# Allegro board SG2042_EVB_V1_1.brd (continued)
## Nets (continued)
DDR1_DQS3_P: J2.186 U1.E50
DDR1_DQS4_N: J2.244 U1.V56
DDR1_DQS4_P: J2.245 U1.V55
DDR1_DQS5_N: J2.255 U1.AC55
DDR1_DQS5_P: J2.256 U1.AC56
DDR1_DQS6_N: J2.266 U1.U50
DDR1_DQS6_P: J2.267 U1.U49
DDR1_DQS7_N: J2.277 U1.AB49
DDR1_DQS7_P: J2.278 U1.AB50
DDR1_ECC_DM_N: J2.52 U1.C55
DDR1_ECC_DM_P: J2.51 U1.C56
DDR1_ECC_DQ0: J2.49 U1.B55
DDR1_ECC_DQ1: J2.194 U1.B53
DDR1_ECC_DQ2: J2.56 U1.E56
DDR1_ECC_DQ3: J2.201 U1.E53
DDR1_ECC_DQ4: J2.47 U1.A55
DDR1_ECC_DQ5: J2.192 U1.A54
DDR1_ECC_DQ6: J2.54 U1.D56
DDR1_ECC_DQ7: J2.199 U1.E55
DDR1_ECC_DQS_N: J2.196 U1.D53
DDR1_ECC_DQS_P: J2.197 U1.D54
DDR1_EVENT_N: J2.78 R5.1 R2387.2
DDR1_EVENT_N_L: R598.2 U2010.3
DDR1_MA0: J2.79 U1.P55
DDR1_MA1: J2.72 U1.N56
DDR1_MA2: J2.216 U1.H53
DDR1_MA3: J2.71 U1.N54
DDR1_MA4: J2.214 U1.M55
DDR1_MA5: J2.213 U1.G54
DDR1_MA6: J2.69 U1.M54
DDR1_MA7: J2.211 U1.G53
DDR1_MA8: J2.68 U1.L55
DDR1_MA9: J2.66 U1.K54
DDR1_MA10: J2.225 U1.P56
DDR1_MA11: J2.210 U1.L56
DDR1_MA12: J2.65 U1.K56
DDR1_MA13: J2.232 U1.R54
DDR1_MA14: J2.228 U1.M51
DDR1_MA15: J2.86 U1.N51
DDR1_MA16: J2.82 U1.M52
DDR1_MA17: J2.234 U1.R55
DDR1_ODT0: J2.87 U1.N50
DDR1_ODT1: J2.91 U1.P52
DDR1_PAR: J2.222 U1.L50
DDR1_PLL_TESTOUT_N: T20.1(TP) U1.M49
DDR1_PLL_TESTOUT_P: T19.1(TP) U1.M48
DDR1_RESET_N: J2.58 T15.1(TP) U1.F55
DDR1_VDDPLL: C1454.1 FB16.1 U1.AC41
DDR01_VDDQ_1V2: C181.2 C182.2 C183.2 C184.2 C185.2 C186.2 C187.2 C188.2 C189.2 C190.2 C191.2 C192.2 C193.2 C194.2 C195.2 C196.2 C197.2 C198.2 C199.2 C200.2 C201.2 C202.2 C203.2 C204.2 C205.2 C206.2 C207.2 C208.2 C209.2 C210.2 C211.2 C212.2 C213.2 C214.2 C215.2 C216.2 C217.2 C218.2 C219.2 C220.2 C221.2 C222.2 C223.2 C224.2 C225.2 C226.2 C227.2 C228.2 C229.2 C230.2 C231.2 C232.2 C233.2 C234.2 C235.2 C236.2 C237.2 C238.2 C239.2 C240.2 C241.2 C242.2 C243.2 C244.2 C245.2 C246.2 C247.2 C248.2 C249.2 C250.2 C251.2 C252.2 C253.2 C254.2 C255.2 C256.2 C257.2 C258.2 C259.2 C260.2 C261.2 C262.2 C263.2 C264.2 C265.2 C266.2 C267.2 C1422.1 C3154.1 C3319.1 FB13.2 FB15.2 R445.1 R630.2 R2176.1 T75.1(TP) U1.AA45 U1.AA47 U1.AB46 U1.AC45 U1.AC47 U1.AD46 U1.AE45 U1.AE47 U1.AF46 U1.AG45 U1.AG47 U1.AH46 U1.AJ45 U1.AJ47 U1.AK46 U1.AL45 U1.AL47 U1.AM46 U1.AN45 U1.AN47 U1.AP46 U1.AP48 U1.AR45 U1.AR47 U1.AT46 U1.AT48 U1.AU45 U1.AU47 U1.AU49 U1.AV46 U1.AV48 U1.AW45 U1.AW47 U1.AW49 U1.AW51 U1.AY46 U1.BA45 U1.BA47 U1.BB46 U1.BB51 U1.BC45 U1.BC47 U1.BC49 U1.BD46 U1.BD50 U1.BD53 U1.BE45 U1.BE47 U1.BE49 U1.BF46 U1.BF48 U1.BF52 U1.BF55 U1.BG47 U1.BG49 U1.BH46 U1.BH48 U1.J45 U1.J47 U1.J49 U1.J56 U1.K46 U1.K48 U1.K53 U1.L45 U1.L47 U1.L49 U1.L51 U1.L54 U1.M46 U1.N45 U1.N47 U1.N49 U1.N52 U1.N55 U1.P46 U1.R45 U1.R47 U1.R50 U1.R53 U1.T46 U1.U45 U1.U47 U1.V46 U1.V48 U1.W45 U1.W47 U1.Y46 U47.2 U61.5
DDR01_VDDQ_1V2_DIMM: C5.1 C6.1 C7.1 C8.1 C9.1 C10.1 C11.1 C12.1 C13.1 C25.1 C26.1 C27.1 C28.1 C29.1 C30.1 C31.1 C32.1 C33.1 J1.59 J1.61 J1.64 J1.67 J1.70 J1.73 J1.76 J1.80 J1.83 J1.85 J1.88 J1.90 J1.92 J1.204 J1.206 J1.209 J1.212 J1.215 J1.217 J1.220 J1.223 J1.226 J1.229 J1.231 J1.233 J1.236 J2.59 J2.61 J2.64 J2.67 J2.70 J2.73 J2.76 J2.80 J2.83 J2.85 J2.88 J2.90 J2.92 J2.204 J2.206 J2.209 J2.212 J2.215 J2.217 J2.220 J2.223 J2.226 J2.229 J2.231 J2.233 J2.236 R489.2 R491.2 R2175.1 R2241.2 R2242.2 U62.5
DDR01_VDDQ_1V2_H: C1507.1 C1508.1 C1509.1 C1510.1 C1511.1 L19.2 R644.1 R646.1 R2175.2 R2176.2 U61.4 U62.4
DDR1_VDDQCK: C1452.1 FB15.1 U1.AB41
DDR01_VPP_2V5: C1.1 C2.1 C3.1 C4.1 C21.1 C22.1 C23.1 C24.1 C1434.2 C1435.1 C1436.1 C1437.1 C1438.1 C1439.1 J1.142 J1.143 J1.284 J1.286 J1.287 J1.288 J2.142 J2.143 J2.284 J2.286 J2.287 J2.288 R1.2 R5.2 R8.2 R458.2 R462.2 T67.1(TP) U50.5
DDR01_VPP_2V5_H: L18.2 R458.1 U50.4
DDR01_VTT_0V6: C14.1 C15.1 C16.1 C17.1 C34.1 C35.1 C36.1 C37.1 J1.77 J1.221 J2.77 J2.221 R447.2 T63.1(TP) U48.5
DDR01_VTT_0V6_H: C1424.1 C1425.1 C1426.1 R447.1 R450.2 U47.3 U48.4
DDR2_ACT_N: J3.62 U1.BB2
DDR2_ALERT_N: J3.208 R2243.1 U1.AV6
DDR2_ATB0: T23.1(TP) U1.BD9
DDR2_ATB1: T24.1(TP) U1.BC9
DDR2_BA0: J3.81 U1.BE2
DDR2_BA1: J3.224 U1.BD3
DDR2_BG0: J3.63 U1.BC2
DDR2_BG1: J3.207 U1.AV5
DDR2_CAL_0: R2384.1 T22.1(TP) U1.BA8
DDR2_CID0: J3.93 U1.BG5
DDR2_CID1: J3.237 U1.BF6
DDR2_CKE0: J3.60 U1.AU7
DDR2_CKE1: J3.203 U1.AU6
DDR2_CLK0_N: J3.75 U1.BB5
DDR2_CLK0_P: J3.74 U1.BB4
DDR2_CLK1_N: J3.219 U1.BC4
DDR2_CLK1_P: J3.218 U1.BC3
DDR2_CS_N0: J3.84 U1.BF1
DDR2_CS_N1: J3.89 U1.BG2
DDR2_DM0_N: J3.8 U1.AJ2
DDR2_DM0_P: J3.7 U1.AJ1
DDR2_DM1_N: J3.19 U1.AP1
DDR2_DM1_P: J3.18 U1.AP2
DDR2_DM2_N: J3.30 U1.AK8
DDR2_DM2_P: J3.29 U1.AK7
DDR2_DM3_N: J3.41 U1.AP5
DDR2_DM3_P: J3.40 U1.AP6
DDR2_DM4_N: J3.100 U1.BJ3
DDR2_DM4_P: J3.99 U1.BJ4
DDR2_DM5_N: J3.111 U1.BT3
DDR2_DM5_P: J3.110 U1.BR3
DDR2_DM6_N: J3.122 U1.BJ8
DDR2_DM6_P: J3.121 U1.BJ7
DDR2_DM7_N: J3.133 U1.BT8
DDR2_DM7_P: J3.132 U1.BR8
DDR2_DQ0: J3.5 U1.AH4
DDR2_DQ1: J3.150 U1.AH2
DDR2_DQ2: J3.12 U1.AL2
DDR2_DQ3: J3.157 U1.AL1
DDR2_DQ4: J3.3 U1.AG3
DDR2_DQ5: J3.148 U1.AG2
DDR2_DQ6: J3.10 U1.AK1
DDR2_DQ7: J3.155 U1.AL4
DDR2_DQ8: J3.16 U1.AN4
DDR2_DQ9: J3.161 U1.AN2
DDR2_DQ10: J3.23 U1.AT2
DDR2_DQ11: J3.168 U1.AT1
DDR2_DQ12: J3.14 U1.AM3
DDR2_DQ13: J3.159 U1.AM2
DDR2_DQ14: J3.21 U1.AT4
DDR2_DQ15: J3.166 U1.AR1
DDR2_DQ16: J3.27 U1.AH6
DDR2_DQ17: J3.172 U1.AG5
DDR2_DQ18: J3.34 U1.AL6
DDR2_DQ19: J3.179 U1.AL5
DDR2_DQ20: J3.25 U1.AG7
DDR2_DQ21: J3.170 U1.AH8
DDR2_DQ22: J3.32 U1.AL8
DDR2_DQ23: J3.177 U1.AK5
DDR2_DQ24: J3.38 U1.AN8
DDR2_DQ25: J3.183 U1.AN6
DDR2_DQ26: J3.45 U1.AT6
DDR2_DQ27: J3.190 U1.AT8
DDR2_DQ28: J3.36 U1.AM7
DDR2_DQ29: J3.181 U1.AM5
DDR2_DQ30: J3.43 U1.AT5
DDR2_DQ31: J3.188 U1.AR5
DDR2_DQ32: J3.97 U1.BH4
DDR2_DQ33: J3.242 U1.BJ1
DDR2_DQ34: J3.104 U1.BM2
DDR2_DQ35: J3.249 U1.BM3
DDR2_DQ36: J3.95 U1.BH1
DDR2_DQ37: J3.240 U1.BH2
DDR2_DQ38: J3.102 U1.BL2
DDR2_DQ39: J3.247 U1.BL4
DDR2_DQ40: J3.108 U1.BR1
DDR2_DQ41: J3.253 U1.BR2
DDR2_DQ42: J3.115 U1.BN5
DDR2_DQ43: J3.260 U1.BT5
DDR2_DQ44: J3.106 U1.BN2
DDR2_DQ45: J3.251 U1.BP1
DDR2_DQ46: J3.113 U1.BR5
DDR2_DQ47: J3.258 U1.BT4
DDR2_DQ48: J3.119 U1.BH5
DDR2_DQ49: J3.264 U1.BJ5
DDR2_DQ50: J3.126 U1.BM5
DDR2_DQ51: J3.271 U1.BM7
DDR2_DQ52: J3.117 U1.BH8
DDR2_DQ53: J3.262 U1.BH6
DDR2_DQ54: J3.124 U1.BL6
DDR2_DQ55: J3.269 U1.BL8
DDR2_DQ56: J3.130 U1.BN7
DDR2_DQ57: J3.275 U1.BR7
DDR2_DQ58: J3.137 U1.BN10
DDR2_DQ59: J3.282 U1.BT10
DDR2_DQ60: J3.128 U1.BP6
DDR2_DQ61: J3.273 U1.BR6
DDR2_DQ62: J3.135 U1.BR10
DDR2_DQ63: J3.280 U1.BT9
DDR2_DQS0_N: J3.152 U1.AK4
DDR2_DQS0_P: J3.153 U1.AK3
DDR2_DQS1_N: J3.163 U1.AR3
DDR2_DQS1_P: J3.164 U1.AR4
DDR2_DQS2_N: J3.174 U1.AJ6
DDR2_DQS2_P: J3.175 U1.AJ5
DDR2_DQS3_N: J3.185 U1.AR7
DDR2_DQS3_P: J3.186 U1.AR8
DDR2_DQS4_N: J3.244 U1.BK1
DDR2_DQS4_P: J3.245 U1.BK2
DDR2_DQS5_N: J3.255 U1.BP4
DDR2_DQS5_P: J3.256 U1.BN4
DDR2_DQS6_N: J3.266 U1.BK5
DDR2_DQS6_P: J3.267 U1.BK6
DDR2_DQS7_N: J3.277 U1.BN9
DDR2_DQS7_P: J3.278 U1.BP9
DDR2_ECC_DM_N: J3.52 U1.AY4
DDR2_ECC_DM_P: J3.51 U1.AY3
DDR2_ECC_DQ0: J3.49 U1.AV4
DDR2_ECC_DQ1: J3.194 U1.AV2
DDR2_ECC_DQ2: J3.56 U1.BA2
DDR2_ECC_DQ3: J3.201 U1.BA1
DDR2_ECC_DQ4: J3.47 U1.AU3
DDR2_ECC_DQ5: J3.192 U1.AU2
DDR2_ECC_DQ6: J3.54 U1.AY1
DDR2_ECC_DQ7: J3.199 U1.BA4
DDR2_ECC_DQS_N: J3.196 U1.AW1
DDR2_ECC_DQS_P: J3.197 U1.AW2
DDR2_EVENT_N: J3.78 R9.1 R2388.2
DDR2_EVENT_N_L: R599.2 U2010.4
DDR2_MA0: J3.79 U1.BD5
DDR2_MA1: J3.72 U1.BC6
DDR2_MA2: J3.216 U1.BE5
DDR2_MA3: J3.71 U1.BD6
DDR2_MA4: J3.214 U1.BA6
DDR2_MA5: J3.213 U1.AY7
DDR2_MA6: J3.69 U1.BC1
DDR2_MA7: J3.211 U1.AY6
DDR2_MA8: J3.68 U1.BC7
DDR2_MA9: J3.66 U1.AW7
DDR2_MA10: J3.225 U1.BE7
DDR2_MA11: J3.210 U1.AW5
DDR2_MA12: J3.65 U1.BB7
DDR2_MA13: J3.232 U1.BG6
DDR2_MA14: J3.228 U1.BE1
DDR2_MA15: J3.86 U1.BF3
DDR2_MA16: J3.82 U1.BE4
DDR2_MA17: J3.234 U1.BF7
DDR2_ODT0: J3.87 U1.BG3
DDR2_ODT1: J3.91 U1.BF4
DDR2_PAR: J3.222 U1.BD2
DDR2_PLL_TESTOUT_N: T26.1(TP) U1.BA9
DDR2_PLL_TESTOUT_P: T25.1(TP) U1.AY9
DDR2_RESET_N: J3.58 T21.1(TP) U1.BA5
DDR2_VDDPLL: C1458.1 FB18.1 U1.AL16
DDR2_VDDQCK: C1456.1 FB17.1 U1.AK16
DDR3_ACT_N: J4.62 U1.H2
DDR3_ALERT_N: J4.208 R2244.1 U1.J2
DDR3_ATB0: T29.1(TP) U1.R9
DDR3_ATB1: T30.1(TP) U1.P9
DDR3_BA0: J4.81 U1.L4
DDR3_BA1: J4.224 U1.L5
DDR3_BG0: J4.63 U1.J3
DDR3_BG1: J4.207 U1.H1
DDR3_CAL_0: R2385.1 T28.1(TP) U1.U9
DDR3_CID0: J4.93 U1.P7
DDR3_CID1: J4.237 U1.R6
DDR3_CKE0: J4.60 U1.G1
DDR3_CKE1: J4.203 U1.F3
DDR3_CLK0_N: J4.75 U1.J5
DDR3_CLK0_P: J4.74 U1.J6
DDR3_CLK1_N: J4.219 U1.K6
DDR3_CLK1_P: J4.218 U1.K7
DDR3_CS_N0: J4.84 U1.N4
DDR3_CS_N1: J4.89 U1.P4
DDR3_DM0_N: J4.8 U1.B12
DDR3_DM0_P: J4.7 U1.A12
DDR3_DM1_N: J4.19 U1.A7
DDR3_DM1_P: J4.18 U1.B7
DDR3_DM2_N: J4.30 U1.G13
DDR3_DM2_P: J4.29 U1.H13
DDR3_DM3_N: J4.41 U1.H8
DDR3_DM3_P: J4.40 U1.G8
DDR3_DM4_N: J4.100 U1.U3
DDR3_DM4_P: J4.99 U1.U4
DDR3_DM5_N: J4.111 U1.AB4
DDR3_DM5_P: J4.110 U1.AB3
DDR3_DM6_N: J4.122 U1.V6
DDR3_DM6_P: J4.121 U1.V5
DDR3_DM7_N: J4.133 U1.AC5
DDR3_DM7_P: J4.132 U1.AC6
DDR3_DQ0: J4.5 U1.D13
DDR3_DQ1: J4.150 U1.B13
DDR3_DQ2: J4.12 U1.A10
DDR3_DQ3: J4.157 U1.D10
DDR3_DQ4: J4.3 U1.B14
DDR3_DQ5: J4.148 U1.C14
DDR3_DQ6: J4.10 U1.A11
DDR3_DQ7: J4.155 U1.B10
DDR3_DQ8: J4.16 U1.D8
DDR3_DQ9: J4.161 U1.B8
DDR3_DQ10: J4.23 U1.D5
DDR3_DQ11: J4.168 U1.A5
DDR3_DQ12: J4.14 U1.B9
DDR3_DQ13: J4.159 U1.C9
DDR3_DQ14: J4.21 U1.B5
DDR3_DQ15: J4.166 U1.A6
DDR3_DQ16: J4.27 U1.H14
DDR3_DQ17: J4.172 U1.E13
DDR3_DQ18: J4.34 U1.E10
DDR3_DQ19: J4.179 U1.G10
DDR3_DQ20: J4.25 U1.E14
DDR3_DQ21: J4.170 U1.F14
DDR3_DQ22: J4.32 U1.F11
DDR3_DQ23: J4.177 U1.H11
DDR3_DQ24: J4.38 U1.H9
DDR3_DQ25: J4.183 U1.E8
DDR3_DQ26: J4.45 U1.E5
DDR3_DQ27: J4.190 U1.G5
DDR3_DQ28: J4.36 U1.F9
DDR3_DQ29: J4.181 U1.E9
DDR3_DQ30: J4.43 U1.H6
DDR3_DQ31: J4.188 U1.F6
DDR3_DQ32: J4.97 U1.T2
DDR3_DQ33: J4.242 U1.U1
DDR3_DQ34: J4.104 U1.Y3
DDR3_DQ35: J4.249 U1.Y2
DDR3_DQ36: J4.95 U1.T4
DDR3_DQ37: J4.240 U1.T1
DDR3_DQ38: J4.102 U1.W2
DDR3_DQ39: J4.247 U1.W4
DDR3_DQ40: J4.108 U1.AA2
DDR3_DQ41: J4.253 U1.AB1
DDR3_DQ42: J4.115 U1.AE2
DDR3_DQ43: J4.260 U1.AE3
DDR3_DQ44: J4.106 U1.AA4
DDR3_DQ45: J4.251 U1.AA1
DDR3_DQ46: J4.113 U1.AD4
DDR3_DQ47: J4.258 U1.AD2
DDR3_DQ48: J4.119 U1.T8
DDR3_DQ49: J4.264 U1.U5
DDR3_DQ50: J4.126 U1.Y5
DDR3_DQ51: J4.271 U1.Y7
DDR3_DQ52: J4.117 U1.T6
DDR3_DQ53: J4.262 U1.T5
DDR3_DQ54: J4.124 U1.W6
DDR3_DQ55: J4.269 U1.W8
DDR3_DQ56: J4.130 U1.AA8
DDR3_DQ57: J4.275 U1.AB5
DDR3_DQ58: J4.137 U1.AE5
DDR3_DQ59: J4.282 U1.AE7
DDR3_DQ60: J4.128 U1.AA5
DDR3_DQ61: J4.273 U1.AA6
DDR3_DQ62: J4.135 U1.AD8
DDR3_DQ63: J4.280 U1.AD6
DDR3_DQS0_N: J4.152 U1.D11
DDR3_DQS0_P: J4.153 U1.C11
DDR3_DQS1_N: J4.163 U1.C6
DDR3_DQS1_P: J4.164 U1.D6
DDR3_DQS2_N: J4.174 U1.E12
DDR3_DQS2_P: J4.175 U1.F12
DDR3_DQS3_N: J4.185 U1.F7
DDR3_DQS3_P: J4.186 U1.E7
DDR3_DQS4_N: J4.244 U1.V1
DDR3_DQS4_P: J4.245 U1.V2
DDR3_DQS5_N: J4.255 U1.AC2
DDR3_DQS5_P: J4.256 U1.AC1
DDR3_DQS6_N: J4.266 U1.U7
DDR3_DQS6_P: J4.267 U1.U8
DDR3_DQS7_N: J4.277 U1.AB8
DDR3_DQS7_P: J4.278 U1.AB7
DDR3_ECC_DM_N: J4.52 U1.C2
DDR3_ECC_DM_P: J4.51 U1.C1
DDR3_ECC_DQ0: J4.49 U1.B4
DDR3_ECC_DQ1: J4.194 U1.B2
DDR3_ECC_DQ2: J4.56 U1.E1
DDR3_ECC_DQ3: J4.201 U1.E4
DDR3_ECC_DQ4: J4.47 U1.A2
DDR3_ECC_DQ5: J4.192 U1.A3
DDR3_ECC_DQ6: J4.54 U1.D1
DDR3_ECC_DQ7: J4.199 U1.E2
DDR3_ECC_DQS_N: J4.196 U1.D4
DDR3_ECC_DQS_P: J4.197 U1.D3
DDR3_EVENT_N: J4.78 R13.1 R2389.2
DDR3_EVENT_N_L: R600.2 U2010.5
DDR3_MA0: J4.79 U1.P2
DDR3_MA1: J4.72 U1.N1
DDR3_MA2: J4.216 U1.H4
DDR3_MA3: J4.71 U1.N3
DDR3_MA4: J4.214 U1.M2
DDR3_MA5: J4.213 U1.G3
DDR3_MA6: J4.69 U1.M3
DDR3_MA7: J4.211 U1.G4
DDR3_MA8: J4.68 U1.L2
DDR3_MA9: J4.66 U1.K3
DDR3_MA10: J4.225 U1.P1
DDR3_MA11: J4.210 U1.L1
DDR3_MA12: J4.65 U1.K1
DDR3_MA13: J4.232 U1.R3
DDR3_MA14: J4.228 U1.M6
DDR3_MA15: J4.86 U1.N6
DDR3_MA16: J4.82 U1.M5
DDR3_MA17: J4.234 U1.R2
DDR3_ODT0: J4.87 U1.N7
DDR3_ODT1: J4.91 U1.P5
DDR3_PAR: J4.222 U1.L7
DDR3_PLL_TESTOUT_N: T32.1(TP) U1.M8
DDR3_PLL_TESTOUT_P: T31.1(TP) U1.M9
DDR3_RESET_N: J4.58 T27.1(TP) U1.F2
DDR3_VDDPLL: C1462.1 FB20.1 U1.AC16
DDR3_VDDQCK: C1460.1 FB19.1 U1.AB16
DDR23_VDDQ_1V2: C281.2 C282.2 C283.2 C284.2 C285.2 C286.2 C287.2 C288.2 C289.2 C290.2 C291.2 C292.2 C293.2 C294.2 C295.2 C296.2 C297.2 C298.2 C299.2 C300.2 C301.2 C302.2 C303.2 C304.2 C305.2 C306.2 C307.2 C308.2 C309.2 C310.2 C311.2 C312.2 C313.2 C314.2 C315.2 C316.2 C317.2 C318.2 C319.2 C320.2 C321.2 C322.2 C323.2 C324.2 C325.2 C326.2 C327.2 C328.2 C329.2 C330.2 C331.2 C332.2 C333.2 C334.2 C335.2 C336.2 C337.2 C338.2 C339.2 C340.2 C341.2 C342.2 C343.2 C344.2 C345.2 C346.2 C347.2 C348.2 C349.2 C350.2 C351.2 C352.2 C353.2 C354.2 C355.2 C356.2 C357.2 C358.2 C359.2 C360.2 C361.2 C362.2 C363.2 C364.2 C1538.1 C3155.1 C3320.1 FB17.2 FB19.2 R636.2 R657.1 R2178.1 T76.1(TP) U1.AA10 U1.AA12 U1.AB11 U1.AC10 U1.AC12 U1.AD11 U1.AE10 U1.AE12 U1.AF11 U1.AG10 U1.AG12 U1.AH11 U1.AJ10 U1.AJ12 U1.AK11 U1.AL10 U1.AL12 U1.AM11 U1.AN10 U1.AN12 U1.AP9 U1.AP11 U1.AR10 U1.AR12 U1.AT9 U1.AT11 U1.AU8 U1.AU10 U1.AU12 U1.AV9 U1.AV11 U1.AW6 U1.AW8 U1.AW10 U1.AW12 U1.AY11 U1.BA10 U1.BA12 U1.BB6 U1.BB11 U1.BC8 U1.BC10 U1.BC12 U1.BD4 U1.BD7 U1.BD11 U1.BE8 U1.BE10 U1.BE12 U1.BF2 U1.BF5 U1.BF9 U1.BG8 U1.BG10 U1.BH9 U1.J1 U1.J8 U1.J10 U1.J12 U1.K4 U1.K9 U1.K11 U1.L3 U1.L6 U1.L8 U1.L10 U1.L12 U1.M11 U1.N2 U1.N5 U1.N8 U1.N10 U1.N12 U1.P11 U1.R4 U1.R7 U1.R10 U1.R12 U1.T11 U1.U10 U1.U12 U1.V9 U1.V11 U1.W10 U1.W12 U1.Y11 U56.2 U63.5
DDR23_VDDQ_1V2_DIMM: C45.1 C46.1 C47.1 C48.1 C49.1 C50.1 C51.1 C52.1 C53.1 C65.1 C66.1 C67.1 C68.1 C69.1 C70.1 C71.1 C72.1 C73.1 J3.59 J3.61 J3.64 J3.67 J3.70 J3.73 J3.76 J3.80 J3.83 J3.85 J3.88 J3.90 J3.92 J3.204 J3.206 J3.209 J3.212 J3.215 J3.217 J3.220 J3.223 J3.226 J3.229 J3.231 J3.233 J3.236 J4.59 J4.61 J4.64 J4.67 J4.70 J4.73 J4.76 J4.80 J4.83 J4.85 J4.88 J4.90 J4.92 J4.204 J4.206 J4.209 J4.212 J4.215 J4.217 J4.220 J4.223 J4.226 J4.229 J4.231 J4.233 J4.236 R493.2 R495.2 R2177.1 R2243.2 R2244.2 U64.5
DDR23_VDDQ_1V2_H: C1524.1 C1525.1 C1526.1 C1527.1 C1528.1 L20.2 R652.1 R2177.2 R2178.2 R2494.1 U63.4 U64.4
DDR23_VPP_2V5: C41.1 C42.1 C43.1 C44.1 C61.1 C62.1 C63.1 C64.1 C1547.2 C1548.1 C1549.1 C1550.1 C1551.1 C1552.1 C3150.1 C3291.2 FB2017.1 J3.142 J3.143 J3.284 J3.286 J3.287 J3.288 J4.142 J4.143 J4.284 J4.286 J4.287 J4.288 R9.2 R11.2 R13.2 R15.2 R16.2 R662.2 R667.2 T66.1(TP) U59.5
DDR23_VPP_2V5_H: L21.2 R662.1 U59.4
DDR23_VTT_0V6: C54.1 C55.1 C56.1 C57.1 C74.1 C75.1 C76.1 C77.1 J3.77 J3.221 J4.77 J4.221 R658.2 T62.1(TP) U57.5
DDR23_VTT_0V6_H: C1535.1 C1536.1 C1537.1 R658.1 R660.2 U56.3 U57.4
DDR_MPS_ALERT: J2014.3 R1353.2 TP13.1(TP) U53.15
DDR_MPS_SCL: J2014.2 R1354.2 TP12.1(TP) U53.14
DDR_MPS_SDA: J2014.1 R1355.2 T72.1(TP) U53.13
DDR_VDD_0V8: C81.2 C82.2 C83.2 C84.2 C85.2 C86.2 C87.2 C88.2 C89.2 C90.2 C91.2 C92.2 C93.2 C94.2 C95.2 C96.2 C97.2 C98.2 C99.2 C100.2 C101.2 C102.2 C103.2 C104.2 C105.2 C106.2 C107.2 C108.2 C109.2 C110.2 C111.2 C112.2 C113.2 C114.2 C115.2 C116.2 C117.2 C118.2 C119.2 C120.2 C121.2 C122.2 C123.2 C124.2 C125.2 C126.2 C127.2 C128.2 C129.2 C132.2 C133.2 C134.2 C135.2 C136.2 C137.2 C138.2 C139.2 C140.2 C141.2 C142.2 C143.2 C144.2 C145.2 C146.2 C147.2 C148.2 C149.2 C150.2 C151.2 C152.2 C153.2 C154.2 C155.2 C156.2 C157.2 C158.2 C159.2 C160.2 C161.2 C162.2 C163.2 C164.2 C165.2 C166.2 C167.2 C168.2 C169.2 C170.2 C171.2 C172.2 C173.2 C174.2 C175.2 C176.2 C177.2 C178.2 C179.2 FB14.2 FB16.2 FB18.2 FB20.2 R394.2 R416.2 R429.1 R684.2 TP17.1(TP) U1.AA14 U1.AA43 U1.AB13 U1.AB15 U1.AB42 U1.AB44 U1.AC14 U1.AC43 U1.AD13 U1.AD15 U1.AD42 U1.AD44 U1.AE14 U1.AE43 U1.AF13 U1.AF15 U1.AF42 U1.AF44 U1.AG14 U1.AG43 U1.AH13 U1.AH15 U1.AH42 U1.AH44 U1.AJ14 U1.AJ43 U1.AK13 U1.AK15 U1.AK42 U1.AK44 U1.AL14 U1.AL43 U1.AM13 U1.AM15 U1.AM42 U1.AM44 U1.AN14 U1.AN43 U1.AP13 U1.AP44 U1.AR14 U1.AR43 U1.AT13 U1.AT44 U1.AU14 U1.AU43 U1.AV13 U1.AV44 U1.AW14 U1.AW43 U1.AY13 U1.AY44 U1.BA14 U1.BA43 U1.BB13 U1.BB44 U1.BC14 U1.BC43 U1.BD13 U1.BD44 U1.BE14 U1.BE43 U1.K13 U1.K15 U1.K42 U1.K44 U1.L14 U1.L43 U1.M13 U1.M15 U1.M42 U1.M44 U1.N14 U1.N43 U1.P13 U1.P15 U1.P42 U1.P44 U1.R14 U1.R43 U1.T13 U1.T15 U1.T42 U1.T44 U1.U14 U1.U43 U1.V13 U1.V15 U1.V42 U1.V44 U1.W14 U1.W43 U1.Y13 U1.Y15 U1.Y42 U1.Y44 U45.5
DDR_VDD_0V8_H: C1395.1 C1396.1 C1397.1 C1398.1 C1399.1 L15.2 R416.1 R2493.1 U45.4
DIMM_SCL: R2082.1 R2084.1 R2086.1 R2088.1 R2248.2 R2255.1
DIMM_SDA: R2081.1 R2083.1 R2085.1 R2087.1 R2247.2 R2254.1
EMMC_CD_X: R38.1 R1254.1
EMMC_CLK: R36.1 T8.1(TP) U2.M6
EMMC_CMD: R40.2 R1246.1 U2.M5
EMMC_DAT0: R31.2 R1247.1 U2.A3
EMMC_DAT1: R32.2 R1248.1 U2.A4
EMMC_DAT2: R33.2 R1249.1 U2.A5
EMMC_DAT3: R34.2 R1250.1 U2.B2
EMMC_DS: R42.1 U2.H5
EMMC_PWR_EN: R1251.1 T6.1(TP)
EMMC_RST_X: R1252.1 U2.K5
EMMC_WP: R39.1 R1253.1
EN_DDR01_VDDQ_1V2: R1359.2 R2068.2 U53.17
EN_DDR01_VPP_2V5: R457.1 R463.2 R2072.2 U49.7
EN_DDR01_VTT_0V6: R1306.1 R2235.1 U47.7
EN_DDR23_VDDQ_1V2: R1358.2 R2069.2 U53.24
EN_DDR23_VPP_2V5: R663.1 R668.2 R2073.2 U58.7
EN_DDR23_VTT_0V6: R1305.1 R2236.1 U56.7
EN_DDR_VDD_0V8: R1365.2 R2077.2 U37.24
EN_VDD_3V3: R334.1 R2097_NC.1 R2103.1 U25.5
EN_VDD_PCIE_D_0V8: R674.1 R679.2 R2058.1 U60.7
EN_VDD_PCIE_H_1V8: R341.1 R2060.1 R2099.1 U28.5
EN_VDD_PLL_0V8: R307.1 R2059.1 R2098.1 U19.5
EN_VDDC: R1366.2 R2076.2 U37.17
EN_VDDIO18: R354.1 R2056.1 R2100.1 U31.5
EN_VDDIO33: R1349.1 R2057.1 R2101.1 U816.5
EN_VQPS18: R257.1 R2054.1
FAN0: J2020.4 R2468.1 U1.F16
FAN1: J2020.6 U1.H20
FAN2: J2020.8 U1.A16
FAN3: J2020.10 U1.J18
FAN_PWM: J2017.4 Q2002.3 R577.1
FAN_SG2042: J2020.3 J2020.5 J2020.7 J2020.9 R2468.2 U2011.4
FAN_SG2042_H: Q2004.3 R2363.2 R2428.2 R2429.1
FAN_SPEED: J2008.3 J2017.3 R2363.1 R2431.1 R2433.2
FAULT: R392.1 U34.36 U35.36 U36.36 U38.36 U39.36 U40.36 U41.36 U42.36 U44.36
FAULT_DDR: R481.1 U43.36
FAULT_DDR01_VDDQ_1V2: R634.1 U54.36
FAULT_DDR23_VDDQ_1V2: R635.1 U55.36
GPIO0: J17.2 U1.G24
GPIO1: J17.4 U1.J26
GPIO2: J17.6 U1.F23
GPIO3: J17.8 U1.H25
GPIO4: J17.10 R593.1 U1.F25
GPIO5: J17.12 U1.F24 U2006.1
GPIO5_H: J14.8 R2279.1 U2006.20
GPIO6: J17.14 U1.A17 U2006.3
GPIO6_H: J14.10 R594.1 U2006.18
GPIO7: J17.16 U1.H26
GPIO8: J17.18 R597.1 U1.A18
GPIO9: J17.20 R598.1 U1.D19
GPIO10: J17.22 R599.1 U1.F27
GPIO11: J17.1 R600.1 U1.F26
GPIO12: J17.3 R2276.1 U1.G26
GPIO13: J17.5 R2280.1 U1.B18
GPIO14: J17.7 R2281.1 U1.E24
GPIO15: J17.9 R2282.1 U1.E22
GPIO16: J17.11 U1.J27
GPIO17: J17.13 U1.C19
GPIO18: J17.15 U1.E25
GPIO19: J17.17 U1.E27
GPIO20: J17.19 U1.E16
GPIO21: J17.21 U1.F21
GPIO22: J13.4 U1.F19
GPIO23: J13.6 U1.J23
GPIO24: J13.8 U1.H24
GPIO25: J13.10 U1.H18
GPIO26: U1.E33 U2006.4
GPIO26_H: J14.12 R595.1 U2006.17
GPIO27: U1.B34 U2006.5
GPIO27_H: J14.14 R2208.1 U2006.16
GPIO28: U1.J31 U2006.6
GPIO28_H: J14.16 U2006.15
GPIO29: U1.G32 U2006.7
GPIO29_H: J14.18 U2006.14
GPIO30: U1.E34 U2006.8
GPIO30_H: J14.20 U2006.13
GPIO31: U1.D34 U2006.9
GPIO31_H: J14.22 U2006.12
I_+5V: C3232.2 R2199.2 T54.1(TP) U2009.35
I_DDR01_VDDQ_1V2: C1571.2 R689.2 T70.1(TP) U2009.24
I_DDR01_VDDQ_1V2_DIMM: C1573.2 R693.2 T71.1(TP)
I_DDR01_VPP_2V5: C1443.2 R467.2 T69.1(TP)
I_DDR01_VTT_0V6: C1428.2 R452.2 T65.1(TP)
I_DDR23_VDDQ_1V2: C1575.2 R694.2 T73.1(TP) U2009.25
I_DDR23_VDDQ_1V2_DIMM: C1577.2 R695.2 T74.1(TP)
I_DDR23_VPP_2V5: C1556.2 R672.2 T68.1(TP)
I_DDR23_VTT_0V6: C1541.2 R661.2 T64.1(TP)
I_DDR_VDD_0V8: C1418.2 R441.2 T61.1(TP) U2009.23
I_VDD_12V: C3234.2 R2200.2 T56.1(TP) U2009.36
I_VDD_EMMC_1V8: C528.2 R43.2 T40.1(TP) U2009.16
I_VDD_EMMC_3V3: C530.2 R44.2 T41.1(TP) U2009.17
I_VDD_PCIE_C_0V8: C1211.2 R335.2 T50.1(TP) U2009.32
I_VDD_PCIE_D_0V8: C1201.2 R326.2 T49.1(TP) U2009.31
I_VDD_PCIE_H_1V8: C1219.2 R338.2 T52.1(TP) U2009.33
I_VDD_PLL_0V8: C1178.2 R315.2 T48.1(TP) U2009.30
I_VDD_RGMII_1V8: C545.2 R60.2 T42.1(TP) U2009.15
I_VDDC: C3157.2 R1310.2 T60.1(TP) U2009.18
I_VDDIO18: C1230.2 R348.2 T55.1(TP) U2009.34
I_VQPS18: C1445.2 R476.2 T45.1(TP) U2009.29
IIC0_SCL: R196.1 R243.1 U2003.1
IIC0_SCL_H: J14.3 R2190.1 R2256.1 R2277.1 U2003.20
IIC0_SDA: R197.1 R246.1 U2003.3
IIC0_SDA_H: J14.5 R2191.1 R2257.1 R2278.1 U2003.18
IIC1_SCL: R198.1 R247.1 U2003.4
IIC1_SCL_H: J14.7 R2184.1 R2192.1 R2258.1 U2003.17
IIC1_SDA: R199.1 R248.1 U2003.5
IIC1_SDA_H: J14.9 R2185.1 R2193.1 R2259.1 U2003.16
IIC2_SCL: R200.1 R249.1 R2434.2 R2439.2 U2003.6
IIC2_SCL_H: J14.15 R2194.1 R2260.1 U2003.15
IIC2_SDA: R201.1 R252.1 R2435.2 R2438.2 U2003.7
IIC2_SDA_H: J14.17 R2195.1 R2261.1 U2003.14
IIC3_SCL: R202.1 R254.1 U2003.8 U2010.7
IIC3_SCL_H: J14.19 R2196.1 U2003.13
IIC3_SDA: R208.1 R255.1 U2003.9 U2010.6
IIC3_SDA_H: J14.21 R2197.1 U2003.12
JTAG0_SRST_X: D19.1 J11.15 R141.2
JTAG0_TCK: D17.1 J11.9 R145.2 R192.1 R194.2
JTAG0_TDI: D18.1 J11.5 R148.2 R182.1
JTAG0_TDO: D15.1 J11.13 R151.2 R175.1
JTAG0_TMS: D16.1 J11.7 R154.2 R183.1
JTAG0_TRST_X: D14.1 J11.3 R142.2 R181.1 R193.2
JTAG1_SRST_X: D10.1 J10.15 R159.2
JTAG1_TCK: D8.1 J10.9 R118.1 R136.2 R162.2
JTAG1_TDI: D9.1 J10.5 R99.1 R163.2
JTAG1_TDO: D13.1 J10.13 R101.1 R172.2
JTAG1_TMS: D11.1 J10.7 R100.1 R180.2
JTAG1_TRST_X: D12.1 J10.3 R98.1 R133.2 R160.2
JTAG2_SRST_X: D25.1 J12.15 R174.2
JTAG2_TCK: D23.1 J12.9 R185.2 R245.1 R250.2
JTAG2_TDI: D24.1 J12.5 R188.2 R227.1
JTAG2_TDO: D21.1 J12.13 R190.2 R229.1
JTAG2_TMS: D22.1 J12.7 R191.2 R228.1
JTAG2_TRST_X: D20.1 J12.3 R184.2 R226.1 R253.2
LPC_#INT: J2016.24 R2381.2 R2382.1
LPC_#TBL: J2016.8 R2348.2 R2349.1
LPC_#WP: J2016.7 R2346.2 R2347.1
LPC_A0: J2016.12 R2373.2 R2374.1
LPC_A1: J2016.11 R2371.2 R2372.1
LPC_A2: J2016.10 R2377.2 R2378.1
LPC_A3: J2016.9 R2375.2 R2376.1
LPC_CLKRUN: R225.2 U807.5
LPC_CLKRUN_H: J13.9 R2206.2
LPC_GPIO0: J2016.6 R166.2 SW4.6
LPC_GPIO1: J2016.5 R165.2 SW4.5
LPC_GPIO2: J2016.4 R178.2 SW4.4
LPC_GPIO3: J2016.3 R177.2 SW4.3
LPC_GPIO4: J2016.30 R179.2 SW5.6
LPC_LAD0: R232.2 U806.1
LPC_LAD0_H: J2016.13 R2211.2
LPC_LAD1: R234.2 U806.3
LPC_LAD1_H: J2016.14 R2212.2
LPC_LAD2: R237.2 U806.4
LPC_LAD2_H: J2016.15 R2213.2
LPC_LAD3: R239.2 U806.5
LPC_LAD3_H: J2016.17 R2214.2
LPC_LCLK: R231.2 U807.6
LPC_LCLK_H: J2016.31 R2207.2
LPC_LDRQ0: R241.2 U806.6
LPC_LDRQ0_H: J13.11 R2215.2
LPC_LDRQ1: R242.2 U806.7
LPC_LDRQ1_H: J13.13 R2216.2
LPC_LFRAME: R244.2 U806.8
LPC_LFRAME_H: J2016.23 R2217.2
LPC_LPCPD: R472.2 U806.9
LPC_LPCPD_H: J13.15 R2218.2
LPC_LPME: R473.2 U807.1
LPC_LPME_H: J13.3 R2203.2
LPC_LSMI: R474.2 U807.3
LPC_LSMI_H: J13.5 R2204.2
LPC_MODE: J2016.29 R2379.2 R2380.1
LPC_RST: C3276.2 J2016.2(\R\E\S\E\T\) R2274.1 R2275.1 R2350.2
LPC_SERIRQ: R475.2 U807.4
LPC_SERIRQ_H: J13.7 R2205.2
MCU_ATX_ON: R2445.2 R2446.1
MCU_BOOT0: R2341.1 R2343.2 U2009.94
MCU_BOOT1: R2342.1 R2344.2 U2009.37
MCU_BOOT_SEL6: R2492.2 U807.7
MCU_BOOT_SEL6_H: U807.14 U2009.57
MCU_I2C1_SCL: R2092.2 R2093.2 R2184.2
MCU_I2C1_SDA: R2091.2 R2094.2 R2185.2
MCU_I2C2_SCL: R484.2 R2303.1 U11.8
MCU_I2C2_SDA: R483.2 R2304.1 U11.7
MCU_I2C3_SCL: J14.4 R2239.2 R2249.2
MCU_I2C3_SDA: J14.6 R2238.2 R2240.2
MCU_LPC_RST: R2274.2 R2305.1
MCU_NRST: C3272.2 R2025.1 R2340.1 TP30.1(TP) U2009.14
MCU_OK: R2066.1 R2074.2 R2279.2
MCU_PS_ON#: Q403.3 R2440.1 U2009.7
MCU_PWR_OK_C: Q2009.3 R2338.1 R2442.1
MCU_SWCLK: R2024.1 R2250.2 TP32.1(TP)
MCU_SWDIO: R2023.1 R2106.2 TP31.1(TP)
MCU_USART1_RX: R2252.2 U2002.26
MCU_USART1_TX: R2253.2 U2002.25
MODE_SEL0: R128.2 SW3.3 U1.B33
MODE_SEL1: R129.2 SW3.4 U1.A34
MODE_SEL2: R130.2 SW3.5 U1.F31
MPS_ALERT_VDDC: J201.3 R1360.2 TP3.1(TP) U37.15
MPS_SCL_VDDC: J201.2 R1361.2 TP2.1(TP) U37.14
MPS_SDA_VDDC: J201.1 R1362.2 TP1.1(TP) U37.13
MULTI_SCKT: R171.2 SW5.5 U1.H31
OSC32_IN: C2000.1 U2001.1 Y2000.1
OSC32_OUT: C2001.1 U2001.2(X2) Y2000.2(X2)
PCB_VRE0: C3335.2 R2037.2 U2009.26
PCIE0_0_REFCLK_M: R267.2 R298.1 U1.BK37
PCIE0_0_REFCLK_P: R266.2 R299.1 U1.BL37
PCIE0_1_REFCLK_M: R269.2 R296.1 U1.BR37
PCIE0_1_REFCLK_P: R268.2 R297.1 U1.BT37
PCIE0_2_REFCLK_M: J2018.A14 R271.2 R294.1
PCIE0_2_REFCLK_P: J2018.A13 R270.2 R295.1
PCIE0_3_REFCLK_M: J2019.A14 R275.2 R292.1
PCIE0_3_REFCLK_P: J2019.A13 R274.2 R293.1
PCIE0_ATB_0: T37.1(TP) U1.H29
PCIE0_ATB_1: T34.1(TP) U1.G29
PCIE0_L0_CLKREQ_IN_X: U1.E31 U814.3
PCIE0_L0_CLKREQ_IN_X_H: J2018.B12 R1332.2 R2401.1 R2410.1
PCIE0_L0_RESET_X: R2276.2 U1.A32 U814.1
PCIE0_L0_RESET_X_H: J2018.A11 R1311.2 R2400.1 R2409.1
PCIE0_L0_WAKEUP_X: U1.C32 U814.4
PCIE0_L0_WAKEUP_X_H: J2018.B11(WAKE#) R1334.2 R2402.1 R2411.1
PCIE0_L1_CLKREQ_IN_X: U1.D32 U814.6
PCIE0_L1_CLKREQ_IN_X_H: J2019.B12 R1335.2 R2404.1 R2413.1
PCIE0_L1_RESET_X: R2280.2 U1.C33 U814.5
PCIE0_L1_RESET_X_H: J2019.A11 R1312.2 R2403.1 R2412.1
PCIE0_L1_WAKEUP_X: T33.1(TP) U1.F30 U2011.5
PCIE0_L1_WAKEUP_X_H: J2019.B11(WAKE#) R2399.2 R2405.1 R2414.1
PCIE0_REXT: R17.1 U1.J29
PCIE0_RXM[0]: J2018.A17 U1.BR29
PCIE0_RXM[1]: J2018.A22 U1.BN30
PCIE0_RXM[2]: J2018.A26 U1.BR31
PCIE0_RXM[3]: J2018.A30 U1.BN32
PCIE0_RXM[4]: J2018.A36 U1.BR33
PCIE0_RXM[5]: J2018.A40 U1.BN34
PCIE0_RXM[6]: J2018.A44 U1.BR35
PCIE0_RXM[7]: J2018.A48 U1.BN36
PCIE0_RXM[8]: J2019.A17 U1.BN38
PCIE0_RXM[9]: J2019.A22 U1.BR39
PCIE0_RXM[10]: J2019.A26 U1.BN40
PCIE0_RXM[11]: J2019.A30 U1.BR41
PCIE0_RXM[12]: J2019.A36 U1.BN42
PCIE0_RXM[13]: J2019.A40 U1.BR43
PCIE0_RXM[14]: J2019.A44 U1.BN44
PCIE0_RXM[15]: J2019.A48 U1.BR45
PCIE0_RXP[0]: J2018.A16 U1.BT29
PCIE0_RXP[1]: J2018.A21 U1.BP30
PCIE0_RXP[2]: J2018.A25 U1.BT31
PCIE0_RXP[3]: J2018.A29 U1.BP32
PCIE0_RXP[4]: J2018.A35 U1.BT33
PCIE0_RXP[5]: J2018.A39 U1.BP34
PCIE0_RXP[6]: J2018.A43 U1.BT35
PCIE0_RXP[7]: J2018.A47 U1.BP36
PCIE0_RXP[8]: J2019.A16 U1.BP38
PCIE0_RXP[9]: J2019.A21 U1.BT39
PCIE0_RXP[10]: J2019.A25 U1.BP40
PCIE0_RXP[11]: J2019.A29 U1.BT41
PCIE0_RXP[12]: J2019.A35 U1.BP42
PCIE0_RXP[13]: J2019.A39 U1.BT43
PCIE0_RXP[14]: J2019.A43 U1.BP44
PCIE0_RXP[15]: J2019.A47 U1.BT45